# Altium PCB SPEC-A7.PcbDoc (part 3 of 10) (continued)
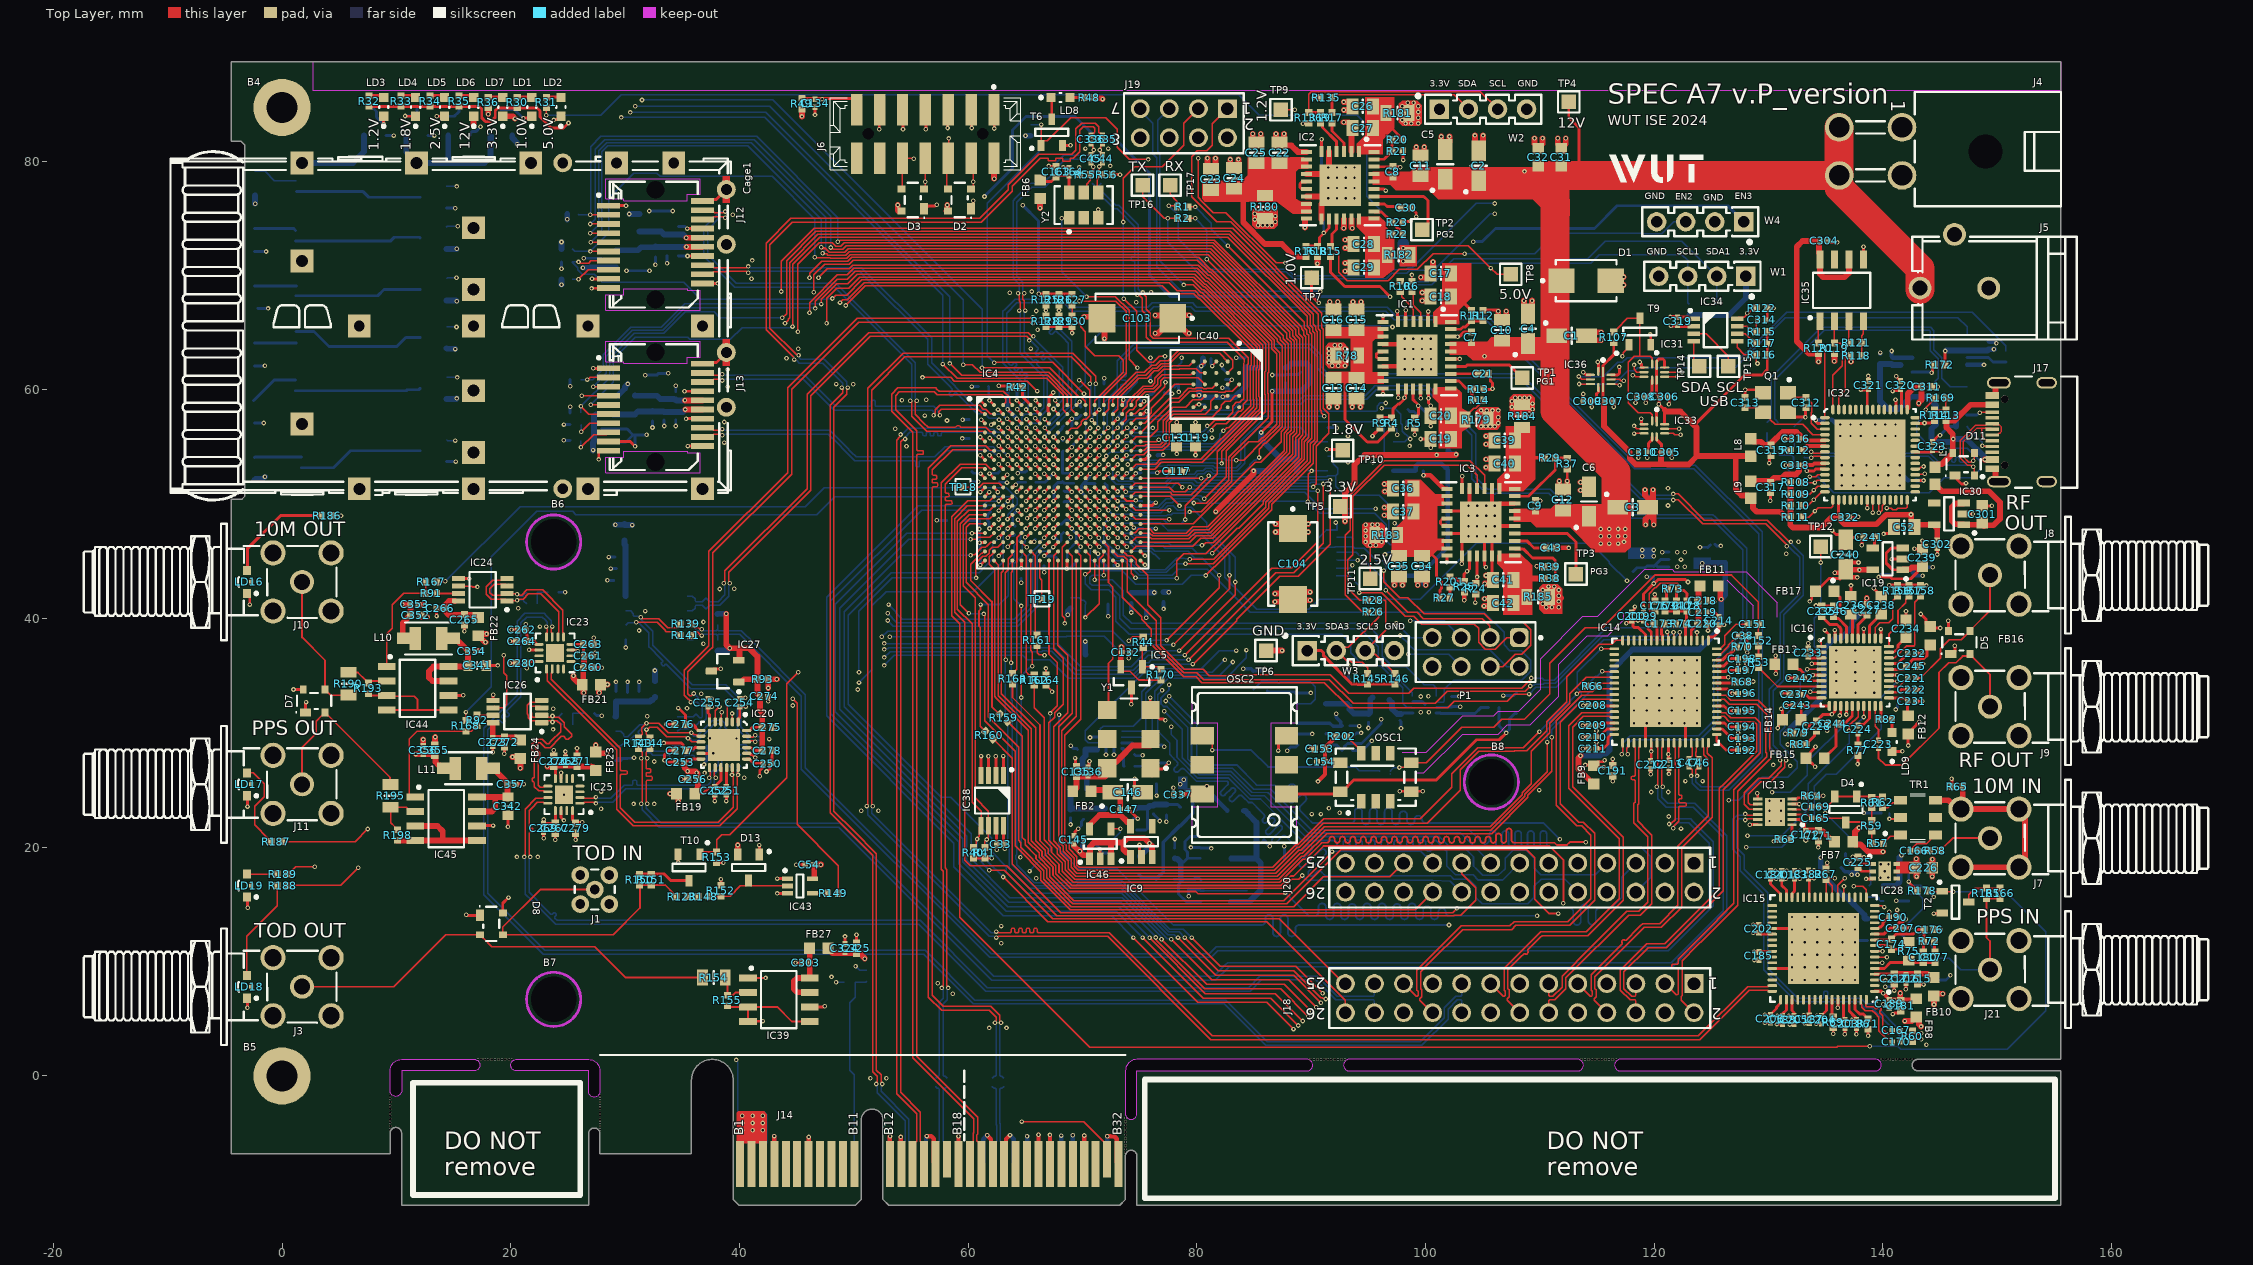
[diagram p0: Top Layer view]
## Nets (pads, with @x,y where several pads share a name; then routed paths per layer and width w, separated by ;. In a path a pad name is that pad's centre, name@x,y a point inside that pad or via, vN(x,y) a via of type N, cw(c..) or ccw(c..) an arc to the next point about the centre after c; other vN are vias at no path point) (continued)
  Bottom Layer w0.127: v1(52.954,40.465) 53.774,39.645 64.195,39.645 65.63,41.08 65.63,45.412 66.366,46.147 66.426,46.147 66.59,46.311 v1(66.664,46.311)
CFG_TMS: D2.2 IC4.R8 IC33.5 J6.4 | length 149.8
  Top Layer w0.127: J6.4@60.256,80.266 60.447,80.075 v1(60.447,78.2) 60.447,77.55 D2.2@60.4,77.55 ; v1(118.23,56.179) 118.237,56.187 119.103,56.187 IC33.5@119.11,56.194
  Top Layer w0.254: v1(66.664,47.076) IC4.R8@67.064,47.476
  L3 w0.127: v1(53.04,41.227) 53.017,41.25 53.017,41.617 52.954,41.681 52.954,59.304 54.05,60.4 55.864,60.4 56.392,60.928 56.392,76.174 57.894,77.676 59.923,77.676 v1@60.506,78.259
  L4 w0.127: v1@60.45,78.2 60.447,78.203 60.447,78.617 68.592,86.762 85.159,86.762 85.344,86.947 99.803,86.947 100.071,86.679 100.071,82.479 102.611,79.939 102.611,77.47 112.263,67.818 112.263,60.487 113.55,59.2 116.35,59.2 117.65,57.9 117.65,56.759 v1(118.23,56.179)
  Bottom Layer w0.127: v1(53.04,41.227) 53.658,40.609 53.658,40.522 54.224,39.957 64.039,39.957 64.795,40.713 64.81,40.713 65.039,40.942 65.039,40.957 65.225,41.143 65.225,45.497 66.292,46.564 66.292,46.704 v1(66.664,47.076)
CLK_25M: C151.2 IC14.64 | length 4
  Top Layer w0.152: IC14.64@125.459,37.358 125.759,37.358 126.163,37.762 126.163,38.513 127.15,39.5 C151.2@128.15,39.5
CLK_25M_BAK: IC4.T15 TP13.1 | length 4.7
  Top Layer w0.127: IC4.T15@72.664,46.676 72.664,46.663 73.083,46.244 v1(73.083,46.231)
  Bottom Layer w0.127: v1(73.083,46.231) 73.428,45.885 75.965,45.885 76.234,45.616 76.334,45.616 TP13.1@76.75,45.2
CLK_25M_DMTD: IC4.T14 Y1.4 | length 15.8
  Top Layer w0.152: IC4.T14@71.864,46.676 72.264,46.276 72.264,43.486 72.267,43.483 72.267,43.149 72.653,42.763 72.653,36.464 72.264,36.075 Y1.4@72.264,31.327
CLK_125M_N: C50.2 IC4.D16 | length 41.5
  Top Layer w0.127: IC4.D16@73.464,56.276 73.488,56.276 73.891,56.678 v1(73.914,56.678) ; v1(74.798,68.31) 74.85,68.258 74.975,68.258 75.224,68.008 75.224,66.926 75.587,66.563 75.587,64.621 76.043,64.165 82.66,64.165 84.15,62.675 84.15,62.4 84.085,62.335 84.085,59.235 83.926,59.076 83.75,58.9 83.45,58.9 83.138,58.588 83.138,58.052 82.44,57.354 82.061,57.354 82.054,57.347 81.551,57.347 81.104,56.9 80.946,56.9 v1(80.894,56.848)
  Bottom Layer w0.127: C50.2@70.861,78.088 70.861,78.063 71.077,77.847 71.077,77.51 72.767,75.82 73.015,75.82 74.552,74.283 74.552,72.649 74.552,71.694 74.478,71.62 74.306,71.62 74.241,71.554 74.241,71.358 74.306,71.293 74.478,71.293 74.552,71.218 74.552,71.155 74.552,68.658 74.7,68.51 74.7,68.481 74.798,68.384 v1(74.798,68.31) ; v1(73.914,56.678) 73.916,56.678 74.125,56.469 74.351,56.469 74.563,56.257 76.272,56.257 76.298,56.283 76.364,56.35 80.554,56.35 80.842,56.637 80.842,56.795 v1(80.894,56.848)
CLK_125M_P: C48.2 IC4.E16 | length 41.6
  Top Layer w0.127: IC4.E16@73.464,55.476 73.464,55.503 73.864,55.903 v1(73.864,55.929) ; v1(75.28,68.522) 75.28,68.448 75.378,68.351 75.378,68.322 75.554,68.145 75.554,67.062 75.683,66.933 75.917,66.7 75.917,64.758 76.18,64.495 82.796,64.495 84.48,62.812 84.48,62.263 84.415,62.198 84.415,59.098 84.063,58.746 84.063,58.329 83.849,58.115 83.68,58.115 83.274,57.71 83.262,57.71 82.576,57.024 82.198,57.024 82.19,57.017 81.688,57.017 81.338,56.666 81.338,56.508 v1(81.286,56.456)
  Bottom Layer w0.127: C48.2@71.623,78.088 71.623,78.063 71.407,77.847 71.407,77.647 72.904,76.15 73.152,76.15 74.882,74.419 74.882,71.155 74.882,68.795 75.103,68.574 75.228,68.574 v1(75.28,68.522) ; v1(73.864,55.929) 73.865,55.929 74.075,56.139 74.214,56.139 74.426,55.927 76.408,55.927 76.434,55.953 76.501,56.019 80.691,56.019 81.075,56.404 81.233,56.404 v1(81.286,56.456)
CR_N: C170.2 IC15.63 | length 5.4
  Top Layer w0.127: IC15.63@138.05,6.675 138.05,6.342 138.142,6.25 138.142,5.997 138.432,5.707 139.076,5.707 139.316,5.467 139.65,5.133 139.65,3.933 139.916,3.667 140.265,3.318 140.559,3.318 140.633,3.244 140.633,3.137 140.795,2.975 C170.2@140.82,2.975
CR_P: C167.2 IC15.64 | length 5.3
  Top Layer w0.127: IC15.64@138.55,6.675 138.55,6.342 138.472,6.264 138.472,6.134 138.569,6.037 139.213,6.037 139.253,5.997 139.297,5.952 139.367,5.882 139.473,5.882 139.604,6.013 139.696,6.013 139.835,5.875 139.835,5.782 139.704,5.651 139.704,5.546 139.935,5.315 139.98,5.27 139.98,4.07 140.402,3.648 140.559,3.648 140.633,3.722 140.633,3.829 140.795,3.991 C167.2@140.82,3.991
DAC_LDAC: IC4.U12 IC10.2 | length 39
  Top Layer w0.127: v1(70.234,43.877) 70.286,43.929 70.431,43.929 70.659,44.157 70.659,45.481 IC4.U12@70.264,45.876
  Bottom Layer w0.127: v1(70.234,43.877) 70.217,43.859 70.217,43.034 70.751,42.5 72.291,42.5 72.911,41.88 72.911,39.772 74.072,38.611 92.678,38.611 93.445,37.844 93.445,37.013 94.569,35.889 96.061,35.889 97.992,33.957 97.992,32.607 98.34,32.259 98.741,32.259 98.8,32.2 IC10.2@98.991,32.2
DAC_SCLK: IC4.V14 IC10.4 | length 37.3
  Top Layer w0.127: v1(71.85,43.79) 71.857,43.798 71.857,45.069 IC4.V14@71.864,45.076
  Bottom Layer w0.127: v1(71.85,43.79) 70.84,43.79 70.65,43.6 70.65,43.1 70.85,42.9 72.328,42.9 73.255,41.974 73.255,40.02 74.181,39.094 94.307,39.094 95.859,37.543 95.859,36.491 98.834,33.516 98.834,33.216 IC10.4@98.85,33.2
DAC_SDI: IC4.T13 IC10.6 | length 54.3
  Top Layer w0.254: IC4.T13@71.064,46.676 v1(71.464,46.276)
  Bottom Layer w0.127: v1(71.464,46.276) 72.668,45.071 73.692,45.071 74.973,43.79 75.36,43.79 75.373,43.777 77.85,43.777 78.373,44.3 80.898,44.3 84.652,40.546 105.104,40.546 106.859,38.79 106.859,37.69 107.346,37.204 108.346,37.204 109.205,36.345 109.205,35.379 108.426,34.6 102.45,34.6 101.65,33.8 101.65,32.8 101.55,32.7 IC10.6@101.05,32.7
DAC_SDO: IC4.V12 | length 0
  Top Layer w0.127: IC4.V12@70.264,45.076 IC4.V12@70.266,45.073
DAC_SYNC: IC4.V13 IC10.5 | length 38.3
  Top Layer w0.127: v1(71.05,43.4) 71.057,43.407 71.057,45.069 IC4.V13@71.064,45.076
  Bottom Layer w0.127: v1(71.05,43.4) 72.601,43.4 73.567,42.434 73.567,40.291 74.288,39.57 94.812,39.57 96.229,38.152 96.229,36.687 97.146,35.771 98.32,35.771 99.896,34.194 100.655,34.194 100.95,33.9 IC10.5@100.95,33.2
DDMTD_LDAC: IC4.N17 IC7.2 | length 35.5
  Top Layer w0.127: IC4.N17@74.264,49.076 74.645,48.694 v1(77.592,48.694)
  L3 w0.127: v1(77.592,48.694) 77.592,44.783 83.434,38.941 v1@83.434,37.2
  Bottom Layer w0.127: IC7.2@71.332,29.126 70.478,29.126 70.219,29.384 70.219,30.169 75.681,35.632 80.381,35.632 81.95,37.2 v1(83.45,37.2)
DDMTD_SCLK: IC4.K17 IC7.4 | length 38.1
  Top Layer w0.127: IC4.K17@74.264,51.476 74.629,51.841 78.373,51.841 v1(78.735,51.48)
  L3 w0.127: v1(78.735,51.48) 78.701,51.48 76.887,49.666 76.887,43.868 82.45,38.305 v1(82.45,36.4)
  Bottom Layer w0.127: IC7.4@71.332,30.126 71.478,30.126 71.565,30.212 71.565,30.358 71.806,30.6 74.45,30.6 75.15,31.3 ; 75.193,31.3 75.193,33.618 76.875,35.3 77.262,35.3 77.27,35.308 81.358,35.308 v1(82.45,36.4)
DDMTD_SDI: IC4.L18 IC7.6 | length 35.3
  Top Layer w0.127: IC4.L18@75.064,50.676 77.658,50.676 v1(78.481,49.853)
  L3 w0.127: v1(78.481,49.853) 78.481,48.169 78.582,48.068 78.582,44.673 78.924,44.332 78.932,44.332 84.331,38.932 v1(84.331,37.243)
  Bottom Layer w0.127: IC7.6@73.39,29.6 75.65,29.6 76.1,30.05 76.1,31.916 76.1,31.969 76.315,32.184 76.315,33.287 ; 76.315,33.288 76.312,33.314 76.312,33.579 76.312,33.632 76.564,33.888 ; 76.564,33.888 76.793,34.117 76.797,34.117 77.48,34.8 82.575,34.8 84.331,36.556 v1(84.331,37.243)
DDMTD_SDO: IC4.N18
DDMTD_SYNC: IC4.M17 IC7.5 | length 33.6
  Top Layer w0.127: IC4.M17@74.264,49.876 74.664,49.475 v1(77.6,49.475)
  L3 w0.127: v1(77.6,49.475) 77.585,49.475 77.201,49.091 77.201,43.986 82.768,38.419 82.768,36.981 83.15,36.6 v1(83.15,36.2)
  Bottom Layer w0.127: IC7.5@73.432,30.126 75.46,30.126 75.534,30.2 75.534,33.45 76.865,34.781 77.102,34.781 77.375,35.054 82.004,35.054 v1(83.15,36.2)
DELAY_EN: IC4.J18 IC20.2 | length 83.8
  Top Layer w0.127: v1(39.35,31.7) 39.364,31.685 39.364,30.979 IC20.2@39.379,30.964 ; IC4.J18@75.064,52.276 75.069,52.271 80.381,52.271 v1@80.386,52.276 ; v1(79.65,36.022) 79.672,36.022 83.476,39.826 83.476,39.926 87.249,43.7 88.85,43.7 91.65,46.5 v1(91.65,52.106)
  L4 w0.127: v1(39.35,31.7) 39.95,32.3 39.95,33.3 42.55,35.9 v1(52.65,35.9)
  Bottom Layer w0.127: v1(52.65,35.9) 53.546,36.796 64.754,36.796 65.15,36.4 67.15,36.4 68.75,34.8 74.491,34.8 75.576,35.886 76.002,35.886 76.117,36 79.628,36 v1(79.65,36.022) ; v1(80.386,52.266) 80.429,52.223 80.725,52.223 80.859,52.089 89.829,52.089 89.897,52.157 91.598,52.157 v1(91.65,52.106)
DELAY_Q0_N: IC23.11 J18.18 | length 124.2
  Top Layer w0.127: v1@23.538,39.128 23.538,38.788 23.623,38.703 IC23.11@23.623,38.395
  Bottom Layer w0.127: v1(23.636,39.3) 23.636,39.374 23.538,39.472 23.538,39.827 23.142,40.224 22.906,40.459 21.242,40.459 20.55,39.767 20.55,33.3 18.35,31.1 17.65,30.4 17.65,15.833 22.832,10.651 56.099,10.651 60.256,6.493 60.45,6.3 82.383,6.3 84.92,3.763 86.013,2.67 99.679,2.67 101.982,4.972 101.982,5.842 102.784,6.645 103.076,6.645 103.151,6.57 J18.18@103.151,5.54
DELAY_Q0_P: IC23.12 J18.17 | length 124.1
  Top Layer w0.127: IC23.12@23.123,38.395 23.123,38.703 23.208,38.788 v1@23.208,39.128
  Bottom Layer w0.127: v1(23.109,39.3) 23.109,39.374 23.208,39.472 23.208,39.691 23.005,39.893 22.769,40.129 21.379,40.129 20.88,39.63 20.88,33.163 20.133,32.417 19.658,31.942 19.658,31.836 19.856,31.639 19.856,31.547 19.717,31.408 19.624,31.408 19.421,31.611 19.328,31.611 19.189,31.473 19.189,31.38 19.471,31.099 19.471,31.006 19.332,30.868 19.24,30.868 18.965,31.143 18.859,31.143 18.583,30.867 17.98,30.263 17.98,15.97 22.969,10.981 47.364,10.981 56.236,10.981 60.587,6.63 82.52,6.63 85.25,3.9 86.15,3 99.543,3 101.651,5.109 101.651,5.979 102.647,6.975 103.076,6.975 103.151,7.049 J18.17@103.151,8.08
DELAY_Q1_N: IC25.11 J18.24 | length 89.7
  Top Layer w0.127: v1@21.272,19.325 21.272,22.961 21.272,23.34 22.197,24.265 22.857,24.265 22.942,24.35 IC25.11@23.25,24.35
  Bottom Layer w0.127: v1(21.173,19.153) 21.173,19.079 21.272,18.981 21.272,15.911 21.368,15.815 21.75,15.432 23.913,13.27 55.68,13.27 61.547,7.403 84.653,7.403 85.65,8.4 90.383,8.4 92.138,6.645 95.456,6.645 95.531,6.57 J18.24@95.531,5.54
DELAY_Q1_P: IC25.12 J18.23 | length 89.6
  Top Layer w0.127: v1@21.602,19.325 21.602,20.884 21.602,21.275 21.676,21.349 21.864,21.349 21.93,21.415 21.93,21.611 21.864,21.676 21.676,21.676 21.602,21.751 21.602,22.739 21.602,23.098 21.602,23.203 21.856,23.457 22.334,23.935 22.857,23.935 22.942,23.85 IC25.12@23.25,23.85
  Bottom Layer w0.127: v1(21.7,19.153) 21.7,19.079 21.602,18.981 21.602,16.048 22.918,14.731 23.506,14.144 23.611,14.144 23.76,14.293 23.853,14.293 23.992,14.155 23.992,14.062 23.842,13.913 23.842,13.808 24.05,13.6 24.187,13.6 55.817,13.6 61.683,7.733 84.516,7.733 85.513,8.73 90.52,8.73 92.275,6.975 95.456,6.975 95.531,7.049 J18.23@95.531,8.08
DELAY_SCLK: IC4.K18 IC20.5 | length 82.4
  Top Layer w0.127: IC20.5@37.879,30.964 37.879,31.929 v1(38.25,32.3) ; IC4.K18@75.064,51.476 77.577,51.476 77.963,51.089 78.979,51.089 v1(79.37,51.48) ; v1(78.944,36.808) 78.957,36.808 86.55,44.4 88.25,44.4 90.574,46.724 v1(90.574,51.18)
  L4 w0.127: v1(38.25,32.3) 38.95,32.3 39.251,32.602 39.251,33.495 43.057,37.3 v1(52.65,37.3)
  Bottom Layer w0.127: v1(52.65,37.3) 52.702,37.352 52.948,37.352 53.05,37.454 66.997,37.454 67.051,37.4 67.55,37.4 69.45,35.5 74.45,35.5 75.75,36.8 78.936,36.8 v1(78.944,36.808) ; v1(79.37,51.48) 79.444,51.48 79.594,51.33 80.464,51.33 80.466,51.327 89.716,51.327 89.921,51.122 90.327,51.122 90.332,51.128 90.521,51.128 v1(90.574,51.18) v1@90.574,51.176
DELAY_SDIN: IC4.J14 IC20.4 | length 87.6
  Top Layer w0.127: IC20.4@38.379,30.964 38.412,30.997 38.412,31.762 v1(38.45,31.8) ; v1(79.266,36.39) 79.278,36.39 86.888,44 88.45,44 91.047,46.597 v1(91.047,51.767)
  Top Layer w0.254: IC4.J14@71.864,52.276 71.864,52.284 72.246,52.667 v1(72.246,52.676)
  L4 w0.127: v1(38.45,31.8) 38.872,31.8 39.55,32.477 39.55,33.357 42.793,36.6 v1(52.65,36.6)
  Bottom Layer w0.127: v1(52.65,36.6) 53.166,37.117 66.437,37.117 66.521,37.2 66.892,37.2 66.946,37.146 67.304,37.146 69.305,35.145 74.476,35.145 75.471,36.14 75.789,36.14 76.028,36.378 79.254,36.378 v1(79.266,36.39) ; v1(72.246,52.676) 72.299,52.623 72.299,52.386 72.935,51.75 73.379,51.75 73.397,51.768 74.163,51.768 74.347,51.584 77.281,51.584 77.821,52.124 79.775,52.124 80.039,51.86 80.729,51.86 80.754,51.835 89.934,51.835 90.002,51.903 90.354,51.903 90.491,51.767 v1(91.047,51.767) 91.099,51.714 v1@91.235,51.714
DELAY_SLOAD: IC4.M16 IC20.3 | length 68.5
  Top Layer w0.127: v1(38.854,32.756) 38.854,32.36 38.912,32.302 38.912,30.997 IC20.3@38.879,30.964 ; v1(78.45,37.2) 83.35,42.1 v1(83.35,43.2)
  Top Layer w0.254: IC4.M16@73.464,49.876 73.49,49.876 73.794,49.571 v1(73.831,49.571)
  L4 w0.127: v1(38.854,32.756) 38.854,33.618 43.063,37.827 v1(52.65,37.827)
  Bottom Layer w0.127: v1(52.65,37.827) 52.677,37.8 67.85,37.8 69.85,35.8 74.25,35.8 75.65,37.2 v1(78.45,37.2) ; v1(73.831,49.571) 73.884,49.519 74.147,49.519 74.422,49.244 76.819,49.244 77.299,49.724 77.299,49.741 77.43,49.872 77.919,49.872 78.09,49.701 78.09,49.691 78.319,49.463 78.643,49.463 78.652,49.472 78.804,49.472 79.05,49.718 79.519,49.718 80.875,48.363 80.875,47.852 83.35,45.377 v1(83.35,43.2)
DFF_Q0_N: IC20.22 IC21.6 R138.1 R141.2 | length 27.7
  Top Layer w0.127: v1(30.983,39.671) 30.998,39.657 32.8,39.657 33.4,39.056 33.593,38.863 34.521,38.863 34.596,38.789 34.596,38.747 R141.2@34.822,38.52 ; IC20.22@40.629,29.214 40.906,29.214 40.99,29.299 v1@41.238,29.299
  Bottom Layer w0.127: IC21.6@30.052,39.409 30.289,39.646 30.957,39.646 v1(30.983,39.671) 31.035,39.619 31.209,39.619 32.074,38.754 32.074,37.536 32.268,37.342 33.002,36.608 33.047,36.563 33.278,36.332 33.278,36.227 33.173,36.121 33.173,36.029 33.311,35.89 33.404,35.89 33.509,35.996 33.615,35.996 33.937,35.673 33.982,35.628 34.928,34.682 35.738,33.872 38.671,33.872 38.848,33.694 39.796,32.746 39.796,30.399 40.345,29.85 40.854,29.342 41.195,29.342 41.307,29.23 v1(41.381,29.23) 41.455,29.23 41.567,29.342 41.771,29.342 41.846,29.268 41.846,28.944 41.501,28.6 40.923,28.6 40.57,28.953 39.713,28.953 39.445,28.685 39.445,28.369 39.371,28.295 39.329,28.295 R138.1@39.102,28.068
DFF_Q0_P: IC20.23 IC21.7 R137.1 R139.2 | length 28
  Top Layer w0.127: v1@31.411,40.107 31.531,39.987 32.937,39.987 33.73,39.193 34.521,39.193 34.596,39.268 34.596,39.31 R139.2@34.822,39.536 ; IC20.23@40.629,29.714 40.926,29.714 41.011,29.629 41.17,29.629 41.325,29.784 v1(41.381,29.784)
  Bottom Layer w0.127: IC21.7@30.052,40.679 30.474,40.679 30.71,40.443 30.71,40.284 30.784,40.209 31.19,40.209 v1@31.293,40.106 ; v1(31.362,40.107) 31.415,40.055 31.415,39.881 32.405,38.891 32.405,37.673 ; 32.405,37.673 33.677,36.4 35.875,34.202 38.807,34.202 38.904,34.105 40.127,32.883 40.127,30.536 40.675,29.987 40.99,29.672 41.195,29.672 41.307,29.784 v1(41.381,29.784) 41.455,29.784 41.567,29.672 41.908,29.672 42.176,29.404 42.176,28.808 41.638,28.27 40.786,28.27 40.433,28.623 39.85,28.623 39.775,28.549 39.775,28.369 39.85,28.295 39.892,28.295 R137.1@40.118,28.068
DFF_Q1_N: IC20.9 IC22.6 R142.1 R144.2 | length 14.8
  Top Layer w0.127: R144.2@32.165,29.562 31.939,29.789 31.905,29.789 31.83,29.863 31.83,30.257 v1(31.865,30.292) 31.939,30.292 32.151,30.504 32.797,30.504 33.621,29.681 35.288,29.681 35.446,29.522 v1(35.499,29.522) 35.807,29.214 IC20.9@36.629,29.214
  Bottom Layer w0.127: IC22.6@29.163,28.868 29.622,28.868 29.858,29.105 29.858,29.264 29.933,29.338 30.371,29.338 30.525,29.493 30.802,29.769 30.907,29.769 31.185,29.491 31.277,29.491 31.416,29.629 31.416,29.722 31.138,30 31.138,30.105 31.351,30.318 31.351,30.33 31.425,30.404 31.68,30.404 31.791,30.292 v1(31.865,30.292) ; v1(35.499,29.522) 35.551,29.47 35.749,29.47 35.846,29.373 35.851,29.369 36.396,29.369 37.423,30.395 37.809,30.782 38.291,30.782 38.366,30.708 38.366,30.486 38.106,30.227 R142.1@38.086,30.227
DFF_Q1_P: IC20.8 IC22.7 R140.1 R143.2 | length 14.9
  Top Layer w0.127: R143.2@31.165,29.562 31.392,29.789 31.426,29.789 31.5,29.863 31.5,30.097 31.475,30.122 31.475,30.456 v1(31.865,30.846) 32.814,30.846 32.826,30.834 32.934,30.834 33.757,30.011 v1(35.8,30.011) 35.874,30.011 36.056,29.829 36.217,29.829 36.332,29.714 IC20.8@36.629,29.714
  Bottom Layer w0.127: IC22.7@29.163,30.138 29.622,30.138 29.858,29.902 29.858,29.743 29.933,29.668 30.234,29.668 30.738,30.172 31.02,30.454 31.02,30.466 31.288,30.734 31.68,30.734 31.791,30.846 v1(31.865,30.846) ; v1(35.8,30.011) 35.853,29.959 35.853,29.833 35.982,29.704 35.987,29.699 36.259,29.699 37.286,30.726 37.672,31.112 38.428,31.112 38.696,30.844 38.696,30.486 38.955,30.227 R140.1@38.975,30.227
DLY0_SE: D7.3 J10.1 R190.1 | length 12.5
  Top Layer w0.155: J10.1@1.75,43.204 1.75,38.35 3.75,36.35 D7.3@3.75,33.8 3.75,33.75 3.972,33.527 4.022,33.527 4.25,33.3 R190.1@5.8,33.3
DLY0_SE_FB: IC4.P14 IC24.6 | length 87.8
  Top Layer w0.152: IC24.6@15.413,42.845 15.435,42.823 16.577,42.823 16.631,42.768 v1(17.082,42.768) ; v1(77.95,37.7) 82.85,42.6 v1(82.85,43.8)
  Top Layer w0.254: IC4.P14@71.864,48.276 71.876,48.276 72.276,47.876 v1(72.289,47.876)
  L4 w0.152: v1(17.082,42.768) 17.417,43.103 22.973,43.103 24.977,41.1 37.05,41.1 39.05,39.1 52.45,39.1 v1(53.15,38.4)
  Bottom Layer w0.152: v1(53.15,38.4) 68.561,38.4 68.615,38.454 71.896,38.454 73.209,37.14 75.213,37.14 75.773,37.7 v1(77.95,37.7) ; v1(72.289,47.876) 72.746,48.333 74.282,48.333 74.312,48.363 76.811,48.363 77.47,47.704 80.646,47.704 82.85,45.5 v1@82.85,43.806
DLY1_SE: D7.2 J11.1 R195.1 | length 15.8
  Top Layer w0.155: J11.1@1.75,25.504 1.75,28.75 2.985,29.985 2.985,31.035 3.477,31.527 3.527,31.527 D7.2@3.75,31.75 ; D7.2@3.75,31.8 D7.2@3.75,31.75 ; R195.1@9.5,25.5 9.433,25.567 9.433,26.117 4.022,31.527 3.972,31.527 D7.2@3.75,31.75
DLY1_SE_FB: IC4.R15 IC26.6 | length 84
  Top Layer w0.127: IC4.R15@72.664,47.476 v1(73.064,47.076) ; v1(77.35,38.103) 81.95,42.703 v1(81.95,43.8)
  Top Layer w0.152: IC26.6@18.577,32.313 IC26.6@18.459,32.194 19.344,32.194 19.65,32.5 19.65,35 19.386,35.264 v1(19.386,36.785)
  L4 w0.127: v1(19.386,36.785) 19.412,36.785 19.597,36.6 29.734,36.6 30.434,37.3 37.55,37.3 38.65,38.4 v1(52.45,38.4)
  Bottom Layer w0.127: v1(52.45,38.4) 52.95,38.9 72.635,38.9 73.874,37.661 75.357,37.661 75.799,38.103 v1(77.35,38.103) ; v1(73.064,47.076) 73.473,46.666 74.026,46.666 74.553,46.139 76.07,46.139 76.33,45.879 79.226,45.879 79.814,45.291 80.459,45.291 v1(81.95,43.8)
DLY_Q0_N: IC20.17 IC23.2 R138.2 | length 31.1
  Top Layer w0.127: IC23.2@23.623,35.595 23.623,35.287 23.538,35.202 23.538,34.712 26.75,31.5 29.58,28.67 29.58,27.4 29.58,26.766 29.654,26.692 30.112,26.692 30.177,26.627 30.177,26.43 30.112,26.365 29.654,26.365 29.58,26.291 29.58,25.9 29.58,23.47 30.85,22.2 38.149,22.2 39.464,23.514 39.464,26.328 39.464,26.582 39.379,26.667 IC20.17@39.379,26.964
  Bottom Layer w0.127: R138.2@39.102,27.128 39.329,26.902 39.371,26.902 39.445,26.827 39.445,26.5 39.347,26.402 v1(39.347,26.328)
DLY_Q0_P: IC20.18 IC23.1 R137.2 | length 31.2
  Top Layer w0.127: IC23.1@23.123,35.595 23.123,35.287 23.208,35.202 23.208,34.575 26.633,31.15 29.25,28.533 29.25,23.333 30.713,21.87 38.286,21.87 39.794,23.378 39.794,26.582 39.879,26.667 IC20.18@39.879,26.964
  Bottom Layer w0.127: v1(39.874,26.328) 39.874,26.402 39.775,26.5 39.775,26.827 39.85,26.902 39.892,26.902 R137.2@40.118,27.128
DLY_Q0_SE_N: IC23.9 IC24.2 IC24.3 R191.2 | length 13.3
  Top Layer w0.127: IC24.3@19.824,43.007 IC24.3@19.663,42.845 19.503,43.005 18.555,43.005 18.175,42.626 18.175,42.274 18.415,42.035 19.503,42.035 IC24.2@19.663,42.195 19.694,42.164 20.519,42.164 v1(20.55,42.134) 20.624,42.134 20.722,42.035 20.94,42.035 21.412,42.507 22.778,42.507 24.538,40.747 24.538,38.788 24.623,38.703 IC23.9@24.623,38.395
  Bottom Layer w0.127: v1(20.55,42.134) 20.624,42.134 20.792,41.965 21.079,41.965 21.153,42.039 21.153,42.073 R191.2@21.38,42.3
DLY_Q0_SE_P: IC23.10 IC24.1 IC24.4 R192.2 | length 13.5
  Top Layer w0.127: IC24.4@19.663,43.495 19.503,43.335 18.418,43.335 17.845,42.762 17.845,42.138 18.016,41.967 18.278,41.705 19.503,41.705 IC24.1@19.663,41.545 19.694,41.576 20.519,41.576 v1(20.55,41.607) 20.624,41.607 20.722,41.705 21.077,41.705 21.549,42.177 22.641,42.177 24.208,40.61 24.208,38.788 24.123,38.703 IC23.10@24.123,38.395
  Bottom Layer w0.127: v1(20.55,41.607) 20.578,41.635 21.079,41.635 21.153,41.561 21.153,41.526 R192.2@21.38,41.3
DLY_Q1_N: IC20.13 IC25.2 R142.2 | length 17.8
  Top Layer w0.127: IC25.2@26.05,24.35 26.358,24.35 26.443,24.265 26.903,24.265 26.917,24.279 27.258,24.279 27.37,24.39 v1(27.444,24.39) ; IC20.13@37.379,26.964 37.379,26.667 37.464,26.582 v1@37.464,26.246
  Bottom Layer w0.127: v1(27.444,24.39) 27.518,24.39 27.63,24.279 28.761,24.279 29.913,25.43 30.55,25.43 30.613,25.43 30.688,25.505 30.688,25.799 30.753,25.864 30.949,25.864 31.015,25.799 31.015,25.505 31.089,25.43 31.95,25.43 37.224,25.43 37.477,25.684 37.477,25.888 37.365,26 v1(37.365,26.074) 37.365,26.148 37.481,26.264 37.481,26.527 38.134,27.18 38.134,28.436 38.366,28.668 38.366,29.028 38.106,29.287 R142.2@38.086,29.287
DLY_Q1_P: IC20.14 IC25.1 R140.2 | length 17.9
  Top Layer w0.127: IC25.1@26.05,23.85 26.358,23.85 26.443,23.935 27.04,23.935 27.053,23.948 27.258,23.948 27.37,23.837 v1(27.444,23.837) ; IC20.14@37.879,26.964 37.879,26.667 37.794,26.582 37.794,26.273 37.919,26.148 v1(37.919,26.074)
  Bottom Layer w0.127: v1(27.444,23.837) 27.518,23.837 27.63,23.948 28.898,23.948 30.05,25.1 37.361,25.1 37.808,25.547 37.808,25.888 37.919,26 v1(37.919,26.074) 37.919,26.148 37.811,26.256 37.811,26.39 38.464,27.043 38.464,28.299 38.696,28.531 38.696,29.028 38.955,29.287 R140.2@38.975,29.287
DLY_Q1_SE_N: IC25.9 IC26.2 IC26.3 R196.2 | length 15.9
  Top Layer w0.127: IC26.3@22.709,32.194 22.549,32.354 21.828,32.354 21.754,32.28 21.754,31.796 21.847,31.703 21.847,31.458 21.921,31.384 22.549,31.384 IC26.2@22.709,31.544 22.869,31.384 v1@23.478,31.384 ; IC25.9@23.25,25.35 22.942,25.35 22.857,25.265 22.566,25.265 22.396,25.435 22.396,27.554 22.396,27.666 22.55,27.82 22.55,28.273 22.148,28.675 22.148,28.855 22.417,29.124 22.597,29.124 22.999,28.722 23.452,28.722 23.79,29.06 23.94,29.21 24.434,29.704 24.613,29.704 24.866,29.451 25.046,29.451 25.315,29.721 25.315,29.9 24.68,30.535 24.68,30.67 24.68,30.881 24.177,31.384 v1@23.822,31.384
  Bottom Layer w0.127: v1(23.65,31.482) 23.724,31.482 23.841,31.365 24.179,31.365 24.253,31.439 24.253,31.474 R196.2@24.48,31.7
DLY_Q1_SE_P: IC25.10 IC26.1 IC26.4 R197.2 | length 15.9
  Top Layer w0.127: IC26.4@22.709,32.844 22.549,32.684 21.692,32.684 21.424,32.416 21.424,31.659 21.516,31.567 21.516,31.322 21.784,31.054 22.549,31.054 IC26.1@22.709,30.894 22.869,31.054 v1@23.478,31.054 ; IC25.10@23.25,24.85 22.942,24.85 22.857,24.935 22.429,24.935 22.066,25.298 22.066,25.6 22.066,25.664 21.991,25.738 21.96,25.738 21.895,25.803 21.895,26 21.96,26.065 21.991,26.065 22.066,26.139 22.066,26.3 22.066,27.803 22.106,27.843 22.22,27.957 22.22,28.136 21.818,28.538 21.818,28.991 22.281,29.454 22.734,29.454 23.136,29.052 23.315,29.052 23.556,29.293 24.35,30.087 24.35,30.744 24.04,31.054 v1@23.822,31.054
  Bottom Layer w0.127: v1(23.65,30.956) 23.702,31.008 23.834,31.008 23.861,31.035 24.179,31.035 24.253,30.961 24.253,30.926 R197.2@24.48,30.7
EN1: IC1.19 R5.2 R203.1 | length 4.1
  Top Layer w0.254: IC1.19@98.916,60.066 98.916,59.134 99.103,58.946 99.11,58.946 v1@99.376,58.68 ; R5.2@99.075,57.572 99.372,57.869 99.372,58.301 99.376,58.304 v1@99.376,58.6
  Bottom Layer w0.254: v1(99.35,58.6) 99.378,58.572 99.468,58.572 100.32,57.72 R203.1@100.32,57.7
EN2: IC2.19 R15.1 W4.3 | length 38
  Top Layer w0.127: R15.1@91.689,72.574 91.709,72.574 92.408,71.875 92.408,70.294 93.143,69.558 96.735,69.558 97.711,70.534 99.284,70.534 100.655,71.905 103.397,71.905 v1(103.407,71.895)
  Top Layer w0.254: R15.1@91.689,72.574 91.816,72.701 91.816,73.628 92.211,74.023 IC2.19@92.211,74.927
  Bottom Layer w0.127: v1(103.407,71.895) 109.532,71.895 111.337,73.7 118.95,73.7 118.99,73.659 120.641,73.659 121.681,74.7 W4.3@122.75,74.7
EN3: IC3.19 R24.1 W4.1 | length 61.7
  Top Layer w0.254: R24.1@104.389,43.094 104.504,43.208 v1(104.504,43.64) IC3.19@104.504,45.461
  L4 w0.254: v1@104.165,73 v1(104.165,72.963) 104.165,67.232 106.675,64.722 106.675,62.421 103.25,58.996 103.25,53.296 102.611,52.657 102.611,44.021 102.992,43.64 v1(104.504,43.64)
  Bottom Layer w0.254: v1(104.165,72.963) 104.952,72.963 106.109,74.12 114.769,74.12 116.75,76.1 126.43,76.1 W4.1@127.83,74.7
EXT_CLK_0_N: IC14.55 J18.3 | length 35.3
  Top Layer w0.127: J18.3@120.931,8.08 121.921,7.09 122.026,7.09 122.1,7.164 122.1,9.299 122.1,9.362 122.026,9.437 121.594,9.437 121.529,9.502 121.529,9.698 121.594,9.764 122.026,9.764 122.1,9.838 122.1,10.217 124.077,12.194 126.97,15.087 126.97,25.037 129.836,27.903 129.836,28.231 129.761,28.306 129.761,30.093 129.836,30.167 129.836,31.624 128.945,32.514 126.563,32.514 126.135,32.943 125.877,32.943 125.792,32.858 IC14.55@125.459,32.858
EXT_CLK_0_P: IC14.56 J18.2 | length 35.3
  Top Layer w0.127: J18.2@123.471,5.54 122.37,6.64 122.37,6.967 122.43,7.028 122.43,9.299 122.43,10.081 123.727,11.377 124.31,11.96 127.3,14.95 127.3,24.9 130.166,27.766 130.166,28.368 130.091,28.443 130.091,29.956 130.166,30.031 130.166,31.761 129.082,32.845 126.7,32.845 126.272,33.273 125.877,33.273 125.792,33.358 IC14.56@125.459,33.358
EXT_CLK_1_N: IC14.52 J18.6 | length 35.7
  Top Layer w0.127: J18.6@118.391,5.54 118.391,6.57 118.316,6.645 117.887,6.645 117.02,7.512 117.02,9.237 119.338,11.555 120.905,11.555 125.689,16.34 125.689,25.156 125.786,25.253 126.013,25.48 128.948,28.415 128.948,30.741 128.699,30.99 126.563,30.99 126.111,31.443 125.877,31.443 125.792,31.358 IC14.52@125.459,31.358
EXT_CLK_1_P: IC14.53 J18.5 | length 35.7
  Top Layer w0.127: J18.5@118.391,8.08 118.391,7.049 118.316,6.975 118.024,6.975 117.35,7.649 117.35,9.101 119.475,11.225 121.042,11.225 126.02,16.203 126.02,25.02 129.278,28.278 129.278,30.878 128.836,31.321 126.7,31.321 126.248,31.773 125.877,31.773 125.792,31.858 IC14.53@125.459,31.858
EXT_CLK_4_N: IC14.25 J18.21 | length 44.9
  Top Layer w0.127: J18.21@98.071,8.08 99.171,6.979 99.277,6.979 99.351,7.053 99.351,7.401 99.24,7.512 99.24,9.257 99.434,9.451 99.92,9.937 103.113,13.13 107.38,13.13 107.75,13.5 112.45,13.5 114.45,15.5 114.45,21.07 113.65,21.87 113.235,21.87 111.431,23.674 111.431,31.06 113.395,33.024 113.397,33.024 113.645,33.273 116.091,33.273 116.176,33.358 IC14.25@116.509,33.358